# Altium PCB FMC-USB-PHY-BOARD_r0.2.PcbDoc (part 2 of 2)
Units mm, origin at the board's own origin, x right, y up, seen from the top; angles counter-clockwise.
Board outline 81.5 x 49.6 mm, 4 copper layers (Top Layer, L2 GND, L3 PWR, Bottom Layer), stack 1.605 mm thick; 77 components, 54 nets, 356 pads, 430 vias.
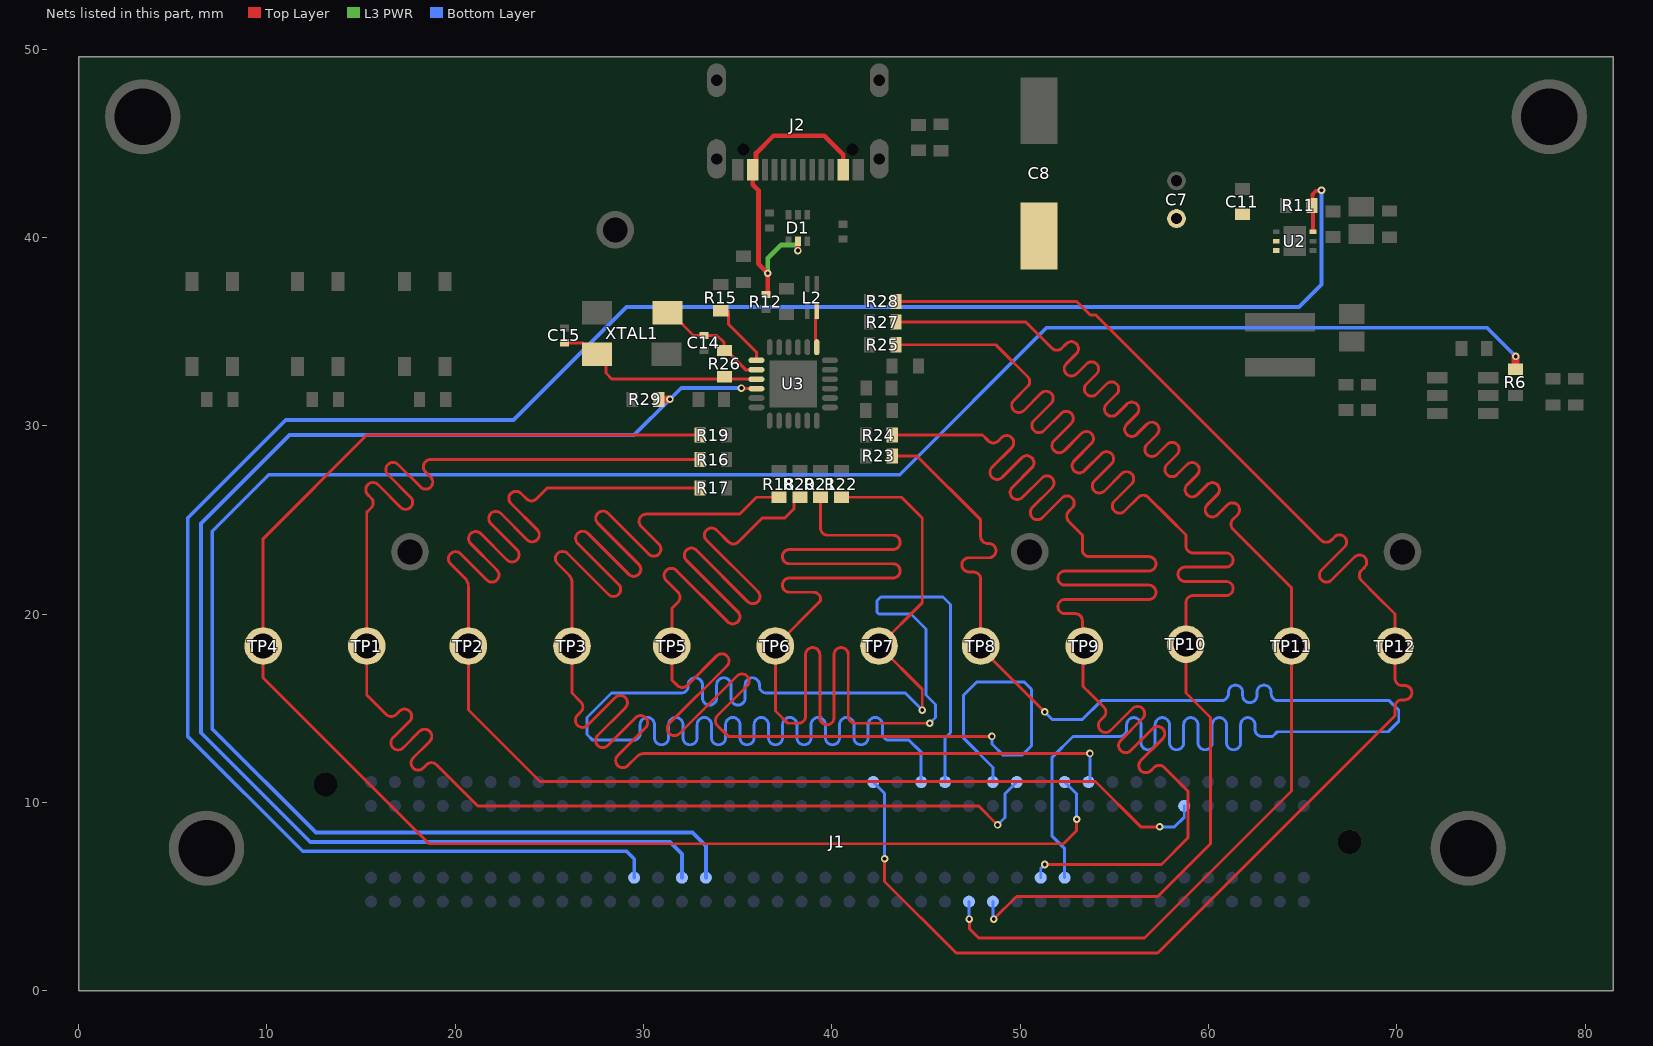
[diagram p4: the nets of this part, all layers, seen from the top]

## Via types
v1: diameter 0.4, hole 0.2, Top Layer to Bottom Layer, tented both sides, 219 vias
v2: diameter 0.4/0.4/0.4/0.4 (per signal layer), hole 0.2, Top Layer to Bottom Layer, tented both sides, 211 vias

## Nets (pads, with @x,y where several pads share a name; then routed paths per layer and width w, separated by ;. In a path a pad name is that pad's centre, name@x,y a point inside that pad or via, vN(x,y) a via of type N, cw(c..) or ccw(c..) an arc to the next point about the centre after c; other vN are vias at no path point) (continued)
USB_P: L2.4 U3.13 | length 2
  Top Layer w0.158: U3.13@39.197,34.17 39.197,34.483 39.126,34.554 39.126,35.094 39.125,35.641 39.15,35.666 39.15,36.033 L2.4@39.197,36.079
USB_PHY_RST: J1.D27 R29.1 U3.22 | length 73.7
  Top Layer w0.159: v1(35.2,32) 35.23,31.97 U3.22@35.997,31.97
  Top Layer w0.4: R29.1@30.8,31.4 v1(31.4,31.4)
  Bottom Layer w0.2: J1.D27@32.04,6 32.04,7.26 31.4,7.9 12.3,7.9 6.5,13.7 6.5,24.8 11.2,29.5 29.5,29.5 v1(31.4,31.4) 32,32 v1(35.2,32)
USB_RBIAS: R15.1 U3.19 | length 3.3
  Top Layer w0.159: 34.5,36.1 34.5,35.4 35.997,33.903 U3.19@35.997,33.47
USB_ULPI_CLK: J1.G6 R17.1 TP2.TP | length 79.6
  Top Layer w0.156: R17.1@33,26.7 24.9,26.7 24.701,26.501 24.317,26.117 cw(c24.05,26.384) 23.782,26.117 23.492,26.407 ccw(c23.225,26.14) 22.958,26.407 ccw(c23.225,26.14) 22.958,25.872 24.351,24.479 cw(c24.084,24.211) 24.351,23.944 cw(c24.084,24.211) 23.817,23.944 22.423,25.338 ccw(c22.156,25.07) 21.888,25.338 ccw(c22.156,25.07) 21.888,24.803 23.282,23.409 cw(c23.015,23.142) 23.282,22.875 cw(c23.015,23.142) 22.748,22.875 21.354,24.269 ccw(c21.087,24.001) 20.819,24.269 ccw(c21.087,24.001) 20.819,23.734 22.213,22.34 cw(c21.946,22.073) 22.213,21.806 cw(c21.946,22.073) 21.679,21.806 20.285,23.199 ccw(c20.017,22.932) 19.75,23.199 ccw(c20.017,22.932) 19.75,22.665 20.511,21.904 cw(c20.055,21.448) 20.7,21.448 20.7,21.337 TP2.TP@20.7,18.3 20.7,14.9 24.5,11.1 54,11.1 56.4,8.7 v1(57.4,8.7)
  Bottom Layer w0.156: v1(57.4,8.7) 58.2,8.7 58.71,9.21 J1.G6@58.71,9.81
USB_ULPI_D0: J1.H14 R20.1 TP5.TP | length 81.4
  Top Layer w0.156: R20.1@38.3,26.2 38.2,26.2 37.978,25.978 37.978,25.578 37.5,25.1 36.3,25.1 35.508,24.308 35.035,23.835 cw(c34.768,24.103) 34.5,23.835 33.878,24.458 ccw(c33.61,24.19) 33.343,24.458 ccw(c33.61,24.19) 33.343,23.923 36.073,21.192 cw(c35.806,20.925) 36.073,20.657 cw(c35.806,20.925) 35.538,20.657 32.808,23.388 ccw(c32.54,23.12) 32.273,23.388 ccw(c32.54,23.12) 32.273,22.853 35.003,20.122 cw(c34.736,19.855) 35.003,19.587 cw(c34.736,19.855) 34.468,19.587 31.738,22.318 ccw(c31.47,22.05) 31.203,22.318 ccw(c31.47,22.05) 31.203,21.783 31.826,21.16 cw(c31.558,20.893) 31.826,20.626 31.77,20.57 31.5,20.3 TP5.TP@31.5,18.3 31.5,16.5 31.734,16.266 31.79,16.21 ccw(c32.057,16.478) 32.324,16.21 33.892,17.778 cw(c34.159,17.511) 34.426,17.778 cw(c34.159,17.511) 34.426,17.244 31.368,14.185 ccw(c31.635,13.918) 31.368,13.65 ccw(c31.635,13.918) 31.902,13.65 34.961,16.709 cw(c35.228,16.442) 35.496,16.709 cw(c35.228,16.442) 35.496,16.175 33.928,14.607 ccw(c34.195,14.339) 33.928,14.072 34.386,13.614 34.442,13.558 34.5,13.5 v1(48.5,13.5)
  Bottom Layer w0.156: v1(48.5,13.5) 48.5,13.1 49.1,12.5 50.1,12.5 50.6,13 50.6,16 50.2,16.4 47.7,16.4 47,15.7 47,13.4 48.55,11.85 J1.H14@48.55,11.08
USB_ULPI_D1: J1.H16 R21.1 TP6.TP | length 81.8
  Top Layer w0.156: R21.1@39.4,26.2 39.4,25.135 39.4,24.561 ccw(c39.778,24.561) 39.778,24.183 43.249,24.183 cw(c43.249,23.804) 43.249,23.426 37.747,23.426 ccw(c37.747,23.048) 37.747,22.67 43.249,22.67 cw(c43.249,22.291) 43.249,21.913 37.747,21.913 ccw(c37.747,21.535) 37.747,21.157 39.022,21.157 cw(c39.022,20.778) 39.4,20.778 39.4,20.7 TP6.TP@37,18.3 37,14.856 37.091,14.764 37.111,14.745 37.656,14.2 38.225,14.2 ccw(c38.225,14.578) 38.603,14.578 38.603,17.841 cw(c38.981,17.841) 38.981,18.219 cw(c38.981,17.841) 39.359,17.841 39.359,14.498 ccw(c39.737,14.498) 39.737,14.12 ccw(c39.737,14.498) 40.115,14.498 40.115,17.841 cw(c40.493,17.841) 40.493,18.219 cw(c40.493,17.841) 40.871,17.841 40.871,14.578 ccw(c41.249,14.578) 41.249,14.2 42.083,14.2 v1(45.2,14.2)
  Bottom Layer w0.156: v1(45.2,14.2) 45.5,14.5 45.5,15.2 45,15.7 45,19.2 44.2,20 42.491,20 42.4,20.091 42.4,20.7 42.6,20.9 45.9,20.9 46.3,20.5 46.3,13.7 46,13.4 46,11.09 J1.H16@46.01,11.08
USB_ULPI_D2: J1.H17 R22.1 TP7.TP | length 81.4
  Top Layer w0.156: R22.1@40.5,26.2 43.7,26.2 44.8,25.1 44.8,20.6 TP7.TP@42.5,18.3 44.8,16 v1(44.8,14.9)
  Bottom Layer w0.156: J1.H17@44.74,11.08 44.74,12.66 44.1,13.3 43.894,13.3 43.059,13.3 cw(c43.059,13.678) 42.681,13.678 42.681,14.127 ccw(c42.302,14.127) 41.924,14.127 41.924,13.434 cw(c41.546,13.434) 41.168,13.434 41.168,14.127 ccw(c40.789,14.127) 40.411,14.127 40.411,13.434 cw(c40.033,13.434) 39.655,13.434 39.655,14.127 ccw(c39.276,14.127) 38.898,14.127 38.898,13.434 cw(c38.52,13.434) 38.142,13.434 38.142,14.127 ccw(c37.763,14.127) 37.385,14.127 37.385,13.434 cw(c37.007,13.434) 36.629,13.434 36.629,14.127 ccw(c36.25,14.127) 35.872,14.127 35.872,13.434 cw(c35.494,13.434) 35.116,13.434 35.116,14.127 ccw(c34.737,14.127) 34.359,14.127 34.359,13.434 cw(c33.981,13.434) 33.603,13.434 33.603,14.127 ccw(c33.224,14.127) 32.846,14.127 32.846,13.434 cw(c32.468,13.434) 32.09,13.434 32.09,14.127 ccw(c31.711,14.127) 31.333,14.127 31.333,13.434 cw(c30.955,13.434) 30.577,13.434 30.577,14.127 ccw(c30.198,14.127) 29.82,14.127 29.82,13.678 cw(c29.442,13.678) 29.442,13.3 27.983,13.3 27.3,13.3 27,13.6 27,14.5 28.3,15.8 31.912,15.8 31.99,15.8 ccw(c31.99,16.178) 32.369,16.178 32.369,16.239 cw(c32.747,16.239) 33.125,16.239 33.125,15.544 ccw(c33.503,15.544) 33.882,15.544 33.882,16.239 cw(c34.26,16.239) 34.638,16.239 34.638,15.544 ccw(c35.016,15.544) 35.395,15.544 35.395,16.239 cw(c35.773,16.239) 36.151,16.239 36.151,16.178 ccw(c36.529,16.178) 36.529,15.8 37.291,15.8 43.9,15.8 v1(44.8,14.9)
USB_ULPI_D3: J1.D11 R23.1 TP8.TP | length 81.1
  Top Layer w0.156: R23.1@43.16,28.4 44.5,28.4 47.9,25 47.9,24.2 47.9,24.122 ccw(c48.278,24.122) 48.278,23.744 48.336,23.744 cw(c48.336,23.366) 48.714,23.366 cw(c48.336,23.366) 48.336,22.988 47.28,22.988 ccw(c47.28,22.61) 46.902,22.61 ccw(c47.28,22.61) 47.28,22.232 47.522,22.232 cw(c47.522,21.854) 47.9,21.854 47.9,21.166 47.9,18.2 v1(51.3,14.8)
  Bottom Layer w0.156: v1(51.3,14.8) 51.7,14.4 53.3,14.4 54.3,15.4 60.6,15.4 60.678,15.4 ccw(c60.678,15.778) 61.057,15.778 61.057,15.844 cw(c61.435,15.844) 61.813,15.844 61.813,15.673 ccw(c62.191,15.673) 62.57,15.673 62.57,15.844 cw(c62.948,15.844) 63.326,15.844 63.326,15.778 ccw(c63.704,15.778) 63.704,15.4 64.3,15.4 69.6,15.4 70.1,14.9 70.1,14.3 69.549,13.749 63.649,13.749 63.4,13.5 62.843,13.5 cw(c62.843,13.878) 62.465,13.878 62.465,14.122 ccw(c62.087,14.122) 61.708,14.122 61.708,13.169 cw(c61.33,13.169) 60.952,13.169 60.952,14.122 ccw(c60.574,14.122) 60.196,14.122 60.196,13.169 cw(c59.817,13.169) 59.439,13.169 59.439,14.122 ccw(c59.061,14.122) 58.683,14.122 58.683,13.169 cw(c58.304,13.169) 57.926,13.169 57.926,14.122 ccw(c57.548,14.122) 57.17,14.122 57.17,13.169 cw(c56.791,13.169) 56.413,13.169 56.413,14.122 ccw(c56.035,14.122) 55.657,14.122 55.657,13.878 cw(c55.278,13.878) 55.278,13.5 55.2,13.5 52.8,13.5 51.7,12.4 51.7,8.2 52.36,7.54 J1.D11@52.36,6
USB_ULPI_D4: J1.D12 R24.1 TP9.TP | length 81.3
  Top Layer w0.156: R24.1@43.2,29.5 48,29.5 48.25,29.25 48.305,29.195 ccw(c48.572,29.462) 48.84,29.195 49.012,29.367 cw(c49.28,29.1) 49.547,29.367 cw(c49.28,29.1) 49.547,28.833 48.507,27.793 ccw(c48.774,27.526) 48.507,27.259 ccw(c48.774,27.526) 49.042,27.259 50.081,28.298 cw(c50.349,28.031) 50.616,28.298 cw(c50.349,28.031) 50.616,27.764 49.576,26.724 ccw(c49.844,26.457) 49.576,26.189 ccw(c49.844,26.457) 50.111,26.189 51.151,27.229 cw(c51.418,26.962) 51.685,27.229 cw(c51.418,26.962) 51.685,26.695 50.645,25.655 ccw(c50.913,25.388) 50.645,25.12 ccw(c50.913,25.388) 51.18,25.12 52.22,26.16 cw(c52.487,25.893) 52.754,26.16 cw(c52.487,25.893) 52.754,25.625 52.582,25.453 ccw(c52.849,25.186) 52.582,24.918 53.3,24.2 53.3,23.952 53.3,23.5 53.3,23.422 ccw(c53.678,23.422) 53.678,23.044 56.833,23.044 cw(c56.833,22.666) 57.211,22.666 cw(c56.833,22.666) 56.833,22.288 52.381,22.288 ccw(c52.381,21.91) 52.003,21.91 ccw(c52.381,21.91) 52.381,21.532 56.833,21.532 cw(c56.833,21.154) 57.211,21.154 cw(c56.833,21.154) 56.833,20.776 52.381,20.776 ccw(c52.381,20.398) 52.003,20.398 ccw(c52.381,20.398) 52.381,20.02 52.922,20.02 cw(c52.922,19.642) 53.3,19.642 53.3,18.532 53.3,18.3 53.345,18.255 53.345,16.155 53.501,15.999 53.556,15.944 54.437,15.063 cw(c54.17,14.795) 54.437,14.528 54.265,14.355 ccw(c54.532,14.088) 54.265,13.821 ccw(c54.532,14.088) 54.799,13.821 55.964,14.985 cw(c56.231,14.718) 56.498,14.985 cw(c56.231,14.718) 56.498,14.451 55.334,13.286 ccw(c55.601,13.019) 55.334,12.752 ccw(c55.601,13.019) 55.869,12.752 57.033,13.916 cw(c57.3,13.649) 57.568,13.916 cw(c57.3,13.649) 57.568,13.382 56.403,12.217 ccw(c56.67,11.95) 56.403,11.683 ccw(c56.67,11.95) 56.938,11.683 57.11,11.855 cw(c57.378,11.588) 57.645,11.855 57.7,11.8 58.9,10.6 58.9,8.1 57.5,6.7 v1(51.3,6.7)
  Bottom Layer w0.156: J1.D12@51.09,6 51.09,6.486 51.3,6.696 v1(51.3,6.7)
USB_ULPI_D5: J1.C14 R25.1 TP10.TP | length 80.3
  Top Layer w0.156: R25.1@43.4,34.3 48.7,34.3 48.732,34.268 48.787,34.213 50.391,32.609 cw(c50.123,32.342) 50.391,32.075 49.661,31.345 ccw(c49.928,31.078) 49.661,30.81 ccw(c49.928,31.078) 50.195,30.81 51.106,31.721 cw(c51.373,31.453) 51.64,31.721 cw(c51.373,31.453) 51.64,31.186 50.73,30.276 ccw(c50.997,30.009) 50.73,29.741 ccw(c50.997,30.009) 51.265,29.741 52.175,30.651 cw(c52.442,30.384) 52.709,30.651 cw(c52.442,30.384) 52.709,30.117 51.799,29.207 ccw(c52.066,28.939) 51.799,28.672 ccw(c52.066,28.939) 52.334,28.672 53.244,29.582 cw(c53.511,29.315) 53.778,29.582 cw(c53.511,29.315) 53.778,29.048 52.868,28.138 ccw(c53.136,27.87) 52.868,27.603 ccw(c53.136,27.87) 53.403,27.603 54.313,28.513 cw(c54.58,28.246) 54.848,28.513 cw(c54.58,28.246) 54.848,27.979 53.937,27.068 ccw(c54.205,26.801) 53.937,26.534 ccw(c54.205,26.801) 54.472,26.534 55.382,27.444 cw(c55.649,27.177) 55.917,27.444 cw(c55.649,27.177) 55.917,26.909 55.007,25.999 ccw(c55.274,25.732) 55.007,25.465 ccw(c55.274,25.732) 55.541,25.465 56.271,26.194 cw(c56.538,25.927) 56.806,26.194 57.864,25.136 57.919,25.081 58.8,24.2 58.8,23.701 58.8,23.623 ccw(c59.178,23.623) 59.178,23.245 60.928,23.245 cw(c60.928,22.867) 61.306,22.867 cw(c60.928,22.867) 60.928,22.489 58.754,22.489 ccw(c58.754,22.111) 58.376,22.111 ccw(c58.754,22.111) 58.754,21.733 60.928,21.733 cw(c60.928,21.355) 61.306,21.355 cw(c60.928,21.355) 60.928,20.977 59.178,20.977 ccw(c59.178,20.599) 58.8,20.599 58.8,18.866 TP10.TP@58.8,18.4 58.8,15.8 60.1,14.5 60.1,7.8 57.3,5 49.8,5 v1(48.6,3.8)
  Bottom Layer w0.156: J1.C14@48.55,4.73 48.55,3.915 48.6,3.865 v1(48.6,3.8)
USB_ULPI_D6: J1.C15 R27.1 TP11.TP | length 80.1
  Top Layer w0.156: R27.1@43.4,35.5 50.3,35.5 50.7,35.1 51.626,34.174 51.681,34.119 ccw(c51.949,34.386) 52.216,34.119 52.448,34.351 cw(c52.715,34.083) 52.982,34.351 cw(c52.715,34.083) 52.982,33.816 52.45,33.284 ccw(c52.717,33.017) 52.45,32.749 ccw(c52.717,33.017) 52.985,32.749 53.517,33.282 cw(c53.784,33.014) 54.051,33.282 cw(c53.784,33.014) 54.051,32.747 53.519,32.215 ccw(c53.786,31.947) 53.519,31.68 ccw(c53.786,31.947) 54.054,31.68 54.586,32.212 cw(c54.853,31.945) 55.121,32.212 cw(c54.853,31.945) 55.121,31.678 54.588,31.146 ccw(c54.856,30.878) 54.588,30.611 ccw(c54.856,30.878) 55.123,30.611 55.655,31.143 cw(c55.922,30.876) 56.19,31.143 cw(c55.922,30.876) 56.19,30.609 55.657,30.076 ccw(c55.925,29.809) 55.657,29.542 ccw(c55.925,29.809) 56.192,29.542 56.724,30.074 cw(c56.992,29.807) 57.259,30.074 cw(c56.992,29.807) 57.259,29.54 56.727,29.007 ccw(c56.994,28.74) 56.727,28.473 ccw(c56.994,28.74) 57.261,28.473 57.793,29.005 cw(c58.061,28.738) 58.328,29.005 cw(c58.061,28.738) 58.328,28.47 57.796,27.938 ccw(c58.063,27.671) 57.796,27.404 ccw(c58.063,27.671) 58.33,27.404 58.863,27.936 cw(c59.13,27.669) 59.397,27.936 cw(c59.13,27.669) 59.397,27.401 58.865,26.869 ccw(c59.132,26.602) 58.865,26.334 ccw(c59.132,26.602) 59.399,26.334 59.932,26.867 cw(c60.199,26.599) 60.466,26.867 cw(c60.199,26.599) 60.466,26.332 59.934,25.8 ccw(c60.201,25.533) 59.934,25.265 ccw(c60.201,25.533) 60.469,25.265 61.001,25.798 cw(c61.268,25.53) 61.535,25.798 cw(c61.268,25.53) 61.535,25.263 61.304,25.031 ccw(c61.571,24.764) 61.304,24.496 61.976,23.824 62.031,23.769 64.4,21.4 TP11.TP@64.4,18.3 64.4,10.6 56.6,2.8 47.8,2.8 47.318,3.282 47.318,3.782 v1(47.3,3.8)
  Bottom Layer w0.156: J1.C15@47.28,4.73 47.28,3.82 v1(47.3,3.8)
USB_ULPI_D7: J1.H19 R28.1 TP12.TP | length 85
  Top Layer w0.156: v1(42.8,7) 42.8,5.8 46.6,2 57.3,2 69.182,13.882 69.9,14.6 69.9,15.067 cw(c70.278,15.067) 70.278,15.445 70.42,15.445 ccw(c70.42,15.823) 70.798,15.823 ccw(c70.42,15.823) 70.42,16.201 70.278,16.201 cw(c70.278,16.579) 69.9,16.579 69.9,16.657 TP12.TP@69.9,18.3 69.9,20 68.91,20.99 68.118,21.782 cw(c68.385,22.05) 68.118,22.317 68.29,22.49 ccw(c68.023,22.757) 68.29,23.024 ccw(c68.023,22.757) 67.756,23.024 66.535,21.803 cw(c66.267,22.07) 66,21.803 cw(c66.267,22.07) 66,22.338 67.221,23.559 ccw(c66.954,23.826) 67.221,24.093 ccw(c66.954,23.826) 66.686,24.093 66.514,23.921 cw(c66.247,24.188) 65.979,23.921 65.924,23.976 54.03,35.87 53.73,35.87 53,36.6 R28.1@43.4,36.6
  Bottom Layer w0.156: J1.H19@42.2,11.08 42.8,10.48 v1(42.8,7)
USB_ULPI_DIR: J1.H13 R16.1 TP1.TP | length 81.8
  Top Layer w0.156: R16.1@33,28.2 19.652,28.2 18.684,28.2 ccw(c18.684,27.822) 18.417,27.555 18.698,27.274 cw(c18.43,27.007) 18.698,26.739 cw(c18.43,27.007) 18.163,26.739 16.961,27.941 ccw(c16.694,27.674) 16.427,27.941 ccw(c16.694,27.674) 16.427,27.406 17.629,26.205 cw(c17.361,25.937) 17.629,25.67 cw(c17.361,25.937) 17.094,25.67 15.892,26.872 ccw(c15.625,26.605) 15.358,26.872 ccw(c15.625,26.605) 15.358,26.337 15.53,26.165 cw(c15.263,25.897) 15.53,25.63 15.475,25.575 15.3,25.4 TP1.TP@15.3,18.3 15.3,15.7 15.55,15.45 15.605,15.395 16.332,14.668 ccw(c16.599,14.935) 16.867,14.668 17.039,14.84 cw(c17.307,14.573) 17.574,14.84 cw(c17.307,14.573) 17.574,14.306 16.694,13.426 ccw(c16.961,13.159) 16.694,12.892 ccw(c16.961,13.159) 17.229,12.892 18.108,13.771 cw(c18.376,13.504) 18.643,13.771 cw(c18.376,13.504) 18.643,13.237 17.763,12.357 ccw(c18.031,12.09) 17.763,11.822 ccw(c18.031,12.09) 18.298,11.822 18.47,11.995 cw(c18.738,11.728) 19.005,11.995 19.06,11.94 21.2,9.8 47.8,9.8 v1(48.8,8.8)
  Bottom Layer w0.156: v1(48.8,8.8) 49.2,9.2 49.2,10.46 J1.H13@49.82,11.08
USB_ULPI_NXT: J1.H10 R18.1 TP3.TP | length 81.4
  Top Layer w0.156: R18.1@37.2,26.2 36,26.2 35.1,25.3 31.338,25.3 30.14,25.3 ccw(c30.14,24.922) 29.873,24.655 30.812,23.715 cw(c30.545,23.448) 30.812,23.181 cw(c30.545,23.448) 30.278,23.181 28.106,25.353 ccw(c27.839,25.085) 27.571,25.353 ccw(c27.839,25.085) 27.571,24.818 29.743,22.646 cw(c29.476,22.379) 29.743,22.112 cw(c29.476,22.379) 29.209,22.112 27.037,24.284 ccw(c26.769,24.016) 26.502,24.284 ccw(c26.769,24.016) 26.502,23.749 28.674,21.577 cw(c28.407,21.31) 28.674,21.043 cw(c28.407,21.31) 28.14,21.043 25.968,23.214 ccw(c25.7,22.947) 25.433,23.214 ccw(c25.7,22.947) 25.433,22.68 26.011,22.102 cw(c25.555,21.646) 26.2,21.646 26.2,21.535 TP3.TP@26.2,18.3 26.2,16.537 26.2,15.8 26.666,15.334 cw(c26.399,15.066) 26.666,14.799 26.492,14.625 ccw(c26.759,14.357) 26.492,14.09 ccw(c26.759,14.357) 27.026,14.09 28.5,15.563 cw(c28.767,15.296) 29.034,15.563 cw(c28.767,15.296) 29.034,15.029 27.561,13.555 ccw(c27.828,13.288) 27.561,13.021 ccw(c27.828,13.288) 28.095,13.021 29.569,14.494 cw(c29.836,14.227) 30.103,14.494 cw(c29.836,14.227) 30.103,13.96 28.63,12.486 ccw(c28.897,12.219) 28.63,11.952 ccw(c28.897,12.219) 29.165,11.952 29.624,12.411 cw(c30.08,11.955) 30.08,12.6 30.19,12.6 v1@53.687,12.6
  Bottom Layer w0.156: J1.H10@53.63,11.08 53.7,11.15 v1(53.7,12.6)
USB_ULPI_STP: J1.H11 R19.1 TP4.TP | length 82.9
  Top Layer w0.156: R19.1@33,29.5 15.3,29.5 9.8,24 9.8,16.6 18.6,7.8 52.3,7.8 53,8.5 v1(53,9.1)
  Bottom Layer w0.156: J1.H11@52.36,11.08 53,10.44 v1(53,9.1)
USB_VBUS_DISABLE: J1.D26 R6.1 | length 116
  Top Layer w0.4: R6.1@76.3,33 v1@76.3,33.7
  Bottom Layer w0.2: J1.D26@33.31,6 33.31,7.69 32.6,8.4 12.6,8.4 7.1,13.9 7.1,24.4 10.1,27.4 43.6,27.4 51.4,35.2 74.793,35.2 v1(76.318,33.676)
USB_XTAL_IN: C15.1 R26.2 U3.21 XTAL1.3 | length 11.2
  Top Layer w0.159: C15.1@25.8,34.4 26.75,34.4 27.35,33.8 XTAL1.3@27.525,33.8 ; XTAL1.3@28,33.8 28,32.8 28.33,32.47 R26.2@34.305,32.47 ; R26.2@34.305,32.595 34.43,32.47 U3.21@35.997,32.47
USB_XTAL_OUT: C14.1 R26.1 U3.20 XTAL1.1 | length 5.9
  Top Layer w0.159: XTAL1.1@31.575,35.875 32.655,34.795 C14.1@33.2,34.795 33.905,34.795 34.26,34.44 34.26,34.04 R26.1@34.305,33.995 ; R26.1@34.305,33.998 34.403,33.998 34.625,33.775 34.625,33.766 35.422,32.97 U3.20@35.997,32.97
VBUS: C7.1 C8.1 C11.1 D1.5 J2.A4/B9 J2.A9/B4 R12.2 U2.5 U2.6 | length 17.4
  Top Layer w0.25: R12.2@36.5,36.965 36.535,36.965 36.6,37.03 v1(36.6,38.1) 36.1,38.6 36.1,42.5 35.804,42.796 35.804,43.591 J2.A9/B4@35.8,43.595 35.975,43.77 35.975,44.475 36.9,45.4 39.6,45.4 40.6,44.4 J2.A4/B9@40.6,43.595 ; v1(38.2,39.3) D1.5@38.2,39.8
  L3 PWR w0.25: v1(36.6,38.1) 36.6,38.9 37.3,39.6 38.2,39.6
VBUS_EN: J1.D29 R11.2 U2.3 | length 111.9
  Top Layer w0.2: U2.3@65.55,40.3 65.55,41.65 R11.2@65.5,41.7 65.516,41.716 65.516,42.283 65.713,42.48 65.98,42.48 v1(66,42.5)
  Bottom Layer w0.2: J1.D29@29.5,6 29.5,7 29.1,7.4 11.9,7.4 5.8,13.5 5.8,25.095 11.005,30.3 23.1,30.3 29.1,36.3 64.8,36.3 66,37.5 v1(66,42.5)
pads on no net: J1. J1.C2 J1.C3 J1.C6 J1.C7 J1.C10 J1.C11 J1.C18 J1.C19 J1.C22 J1.C23 J1.C26 J1.C27 J1.C30 J1.C31 J1.C34 J1.D1 J1.D4 J1.D5 J1.D8 J1.D9 J1.D14 J1.D15 J1.D17 J1.D18 J1.D20 J1.D21 J1.D23 J1.D24 J1.D30 J1.D31 J1.D33 J1.D34 J1.D35 J1.G2 J1.G3 J1.G7 J1.G13 J1.G15 J1.G16 J1.G18 J1.G19 J1.G21 J1.G22 J1.G24 J1.G25 J1.G27 J1.G28 J1.G30 J1.G31 J1.G33 J1.G34 J1.G36 J1.G37 J1.H1 J1.H2 J1.H4 J1.H5 J1.H7 J1.H8 J1.H20 J1.H22 J1.H23 J1.H25 J1.H26 J1.H28 J1.H29 J1.H31 J1.H32 J1.H34 J1.H35 J1.H37 J1.H38 J2.A8 J2.B8 J2.MH1 J2.MH2 U2.4

## Polygon pours and split planes (outlines as drawn)
GND on Top Layer "NONET_L04_P-001" (solid, pour order 30): 34.737,44.237 34.6,44.1 34.6,42.8 34.1,42.3 34.1,41.6 34.3,41.4 35.6,41.4 35.8,41.6 35.8,42.3 35.3,42.8 35.3,44.171 35.235,44.237
GND on Top Layer "NONET_L04_P-001" (solid, pour order 29): 41.124,44.2 41.093,44.169 41.093,42.438 41.3,42.232 42.298,42.232 42.496,42.43 42.496,42.784 42.344,42.937 41.925,42.937 41.7,43.162 41.7,44.2
VBUS on Top Layer "NONET_L04_P-001" (solid, pour order 4): 43.8,43.5 42.6,42.8 42.6,42.1 41.151,42.1 40.9,42.599 40.9,44.156 40.85,44.228 40.348,44.228 40.296,44.156 40.296,41.904 44.1,38.1 62.8,38.1 63.8,39.1 63.8,40 63.3,40 63.3,40.7 62.3,41.7 53,41.7 51.2,43.5
NetC1_2 on Top Layer "NONET_L04_P-001" (solid, pour order 11): 61.6,33.9 61.7,34 65.9,34 66,33.9 66,31.3 65.9,31.2 61.7,31.2 61.6,31.3
NetC5_1 on Top Layer "NONET_L04_P-001" (solid, pour order 15): 39.6,32.114 39.6,31.819 41.081,31.819 41.4,31.5 41.4,30.3 42.1,30.3 42.3,30.5 42.3,32.2 42.8,32.7 43.6,32.7 43.6,33.6 43.5,33.7 42.7,33.7 42.3,33.3 41.114,32.114
GND on Top Layer "NONET_L04_P-001" (solid, pour order 26): 81.5,30.2 77.9,30.2 75.4,27.7 67.1,27.7 67.1,24.6 72.2,24.6 73.9,22.9 73.9,12.4 61.8,0.3 81.5,0.3
GND on Top Layer "NONET_L04_P-001" (solid, pour order 25): 61,49.6 61,44.3 69.5,44.3 71.3,42.5 71.3,36.7 79.3,36.7 81.5,34.5 81.5,49.6
GND on Top Layer "NONET_L04_P-001" (solid, pour order 24): 0,49.6 0,0 46.5,0 40.2,6.3 13.1,6.3 6.1,13.3 6.1,26 8.9,26 11.1,28.2 9.8,29.5 3.6,29.5 3.6,38.4 4.6,39.4 21.733,39.4 23.133,38.2 30.4,38.2 32.5,40.3 32.5,49.6
GND on Top Layer "NONET_L04_P-001" (solid, pour order 8): 66.4,31.7 69.7,31.7 69.7,32.2 72.7,32.2 72.7,33.5 70.9,35.3 66.4,35.3 66.4,35.2
3V3 on Top Layer "NONET_L04_P-001" (solid, pour order 23): 37.3,36.2 37.3,35.2 37.6,34.9 37.6,33.8 38.3,33.8 38.3,35.5 38.1,35.7 38.1,36.2
3V3 on Top Layer "NONET_L04_P-001" (solid, pour order 17): 44.297,33.57 44.297,32.77 44.897,32.77 44.997,32.67 46.197,32.67 46.397,32.87 46.397,33.47 46.197,33.67 44.997,33.67 44.897,33.57
1V8_ADJ on Top Layer "NONET_L04_P-001" (solid, pour order 16): 42.9,31.2 42.9,30.4 43.5,30.4 43.6,30.3 44.8,30.3 45,30.5 45,31.1 44.8,31.3 43.6,31.3 43.5,31.2
NetC1_2 on Top Layer "NONET_L04_P-001" (solid, pour order 6): 69.9,32.2 69.9,31.1 71.4,31.1 71.6,31.3 72.7,31.3 72.7,31.9 71.6,31.9 71.3,32.2
12V0 on Top Layer "NONET_L04_P-001" (solid, pour order 7): 72.7,31 72.7,29.7 72.1,29.1 66.8,29.1 66.3,29.6 66.3,30.9 66.6,31.2 69.1,31.2 69.5,30.8 71.4,30.8 71.6,31
5V0 on Top Layer "NONET_L04_P-001" (solid, pour order 13): 65.9,39.6 65.3,39.6 65.3,40 65.7,40 65.9,40 65.9,40.2 66.1,40.4 67.133,40.395 67.328,40.7 68.9,40.7 68.9,40.5 70.1,40.5 70.1,39.6 69.7,39.2 69.7,35.4 66.055,35.4 65.65,34.995 61.805,34.995 61.5,35.3 61.5,37 62.2,37.7 65.3,37.7 65.9,38.3
GND on Top Layer "NONET_L04_P-001" (solid, pour order 5): 48.5,48.8 48.5,48.6 48.5,45.1 49.3,44.3 54.3,44.3 56.4,42.2 60.1,42.2 60.5,42.6 60.5,48.1 54.6,48.1 53.8,48.8 53.7,48.8 49,48.8
GND on Bottom Layer "NONET_L04_P-001" (solid, pour order 27): 0,49.7 0,0 7.1,0 7.1,0.9 2.4,5.6 2.4,32.6 4.7,34.9 19.4,34.9 20.6,33.7 25,33.7 25,37.1 26.3,38.4 58.8,38.4 65.2,44.8 68.4,44.8 78.7,34.5 81.5,34.5 81.5,49.6
GND on Bottom Layer "NONET_L04_P-001" (solid, pour order 28): 11.7,26.6 10.9,26.6 8.7,24.4 8.7,21.6 72.5,21.6 73.4,20.7 73.4,6.3 68.7,1.6 68.6,1.6 68.6,0.3 81.5,0.3 81.5,29.2 80.2,27.9 62.7,27.9 60.8,29.8 60.8,34.2 52.7,34.2 45.1,26.6
NetC1_2 on Bottom Layer "NONET_L04_P-001" (solid, pour order 12): 61.6,32.2 61.6,31 71.2,31 71.4,31.2 71.4,32 71.2,32.2
GND on L3 PWR "NONET_L04_P-001" (solid, pour order 22): 0,49.6 0,0 81.5,0 81.5,49.6
1V8_ADJ on L3 PWR "NONET_L04_P-001" (solid, pour order 21): 15.2,12.7 14.7,12.2 14.7,9 15.1,8.6 17.1,8.6 17.5,9 17.5,12.3 17.1,12.7
1V8_ADJ on L3 PWR "NONET_L04_P-001" (solid, pour order 20): 45.6,31.4 45.6,28.5 44.9,27.8 33.8,27.8 33.7,27.7 33.3,28.1 33.3,31.3 35.9,31.3 35.9,29.3 43.1,29.3 43.1,31.4
12V0 on L3 PWR "NONET_L04_P-001" (solid, pour order 19): 66.7,30.8 66.7,29.6 67.1,29.2 72.5,29.2 72.5,30.8 69.5,30.8
12V0 on L3 PWR "NONET_L04_P-001" (solid, pour order 18): 19.4,5.3 18.9,5.3 18.7,5.1 18.7,3.7 18.9,3.5 22.4,3.5 22.6,3.7 22.6,5.1 22.4,5.3
3V3 on L3 PWR "NONET_L04_P-001" (solid, pour order 14): 13.8,5.6 13.8,3.5 17.2,3.5 17.2,5.4 17.4,5.6 26,5.6 26,6.9 25.6,7.3 13.98,7.3 13.8,7.075
GND on L2 GND "NONET_L04_P-001" (solid, pour order 1): 0,49.6 0,0 81.5,0 81.5,49.6

## Other copper
Top Layer:
  text ".Layer_Name" at 7.628,-99.008 h2.5
L2 GND:
  text "'.Layer_Name'" at 11.169,-99.415 h2.5
L3 PWR:
  text ".Layer_Name" at 12.319,-99.45 h2.5
Bottom Layer:
  text "'.Layer_Name'" at 4.296,-99.008 h2.5

## Silkscreen, mask and mechanical layers (free items; w line width, h text height)
Top Overlay:
  lines w0.1: 32.701,3.492 33.084,3.109 48.784,3.109 49.051,3.377 49.051,9.362 48.754,9.659 32.984,9.659 32.701,9.377 32.701,3.492
  lines w0.2: 32.8,37.9 33.2,37.5 33.2,35.6 33.395,35.405 33.995,35.405 34.3,35.1 34.3,34.7
  text "GND" at 26.6,42.4 h1.4
  text "GND" at 19.6,23.6 h1.4
  text "GND" at 52.5,23.6 h1.4
  text "GND" at 72.3,23.5 h1.4
  text "STP" at 10.6,11.9 h1.4 r90
  text "DIR" at 16,11.9 h1.4 r90
  text "CLK" at 21.481,11.9 h1.4 r90
  text "NXT" at 26.781,11.9 h1.4 r90
  text "D0" at 32.132,11.9 h1.4 r90
  text "D1" at 37.426,11.9 h1.4 r90
  text "D2" at 43.026,11.9 h1.4 r90
  text "D3" at 48.893,11.9 h1.4 r90
  text "D4" at 54.043,11.9 h1.4 r90
  text "D5" at 59.4,11.9 h1.4 r90
  text "D6" at 65,11.9 h1.4 r90
  text "D7" at 70.5,11.9 h1.4 r90
  text "OV Tech GmbH" at 35.934,6.525 h1.4
  text "FMC-USB-PHY-BOARD-R02" at 34.584,5.37 h1
  text "'.Layer_Name'" at 5.129,-99.008 h2.5
Bottom Overlay:
  text "'.Layer_Name'" at 1.797,-99.008 h2.5
Top Paste:
  text "'.Layer_Name'" at 7.628,-99.008 h2.5
Bottom Paste:
  text "'.Layer_Name'" at 4.296,-99.425 h2.5
Top Solder:
  text "'.Layer_Name'" at 6.587,-99.008 h2.5
Bottom Solder:
  text "'.Layer_Name'" at 3.255,-99.425 h2.5
Drill Guide:
  text "'.Layer_Name'" at 5.754,-99.425 h2.5
Board Shape:
  the board outline again, w0.1
  text "'.Layer_Name'" at 5.571,-98.933 h2.5
Drill Drawing:
  circle w0.15: c-20.054,-13.497 r0.428
  circle w0.15: c-20.054,-17.347 r0.257
  circle w0.15: c-20.054,-17.347 r0.428
  lines w0.15: -20.482,-25.475 -20.054,-25.261 -19.626,-25.475 -19.84,-25.047 -19.626,-24.619 -20.054,-24.833 -20.482,-24.619 -20.268,-25.047 -20.482,-25.475 ; -20.482,-23.336 -20.268,-23.336 -20.268,-23.55 -19.84,-23.55 -19.84,-23.336 -19.626,-23.336 -19.626,-22.908 -19.84,-22.908 -19.84,-22.694 -20.268,-22.694 -20.268,-22.908 -20.482,-22.908 -20.482,-23.336 ; -20.482,-21.625 -20.482,-21.411 -20.268,-21.197 -20.482,-20.983 -20.482,-20.769 -20.268,-20.769 -20.054,-20.983 -19.84,-20.769 -19.626,-20.769 -19.626,-20.983 -19.84,-21.197 -19.626,-21.411 -19.626,-21.625 -19.84,-21.625 -20.054,-21.411 -20.268,-21.625 -20.482,-21.625 ; -20.482,-18.844 -19.626,-18.844 -20.054,-19.7 -20.482,-18.844 ; -20.482,-15.85 -19.626,-15.85 -19.626,-14.994 -20.482,-14.994 -20.482,-15.85 ; -20.482,-12 -19.626,-12 -19.626,-11.144 -20.482,-11.144 -20.482,-12 ; -20.31,-15.679 -19.797,-15.679 -19.797,-15.166 -20.31,-15.166 -20.31,-15.679
  lines w0.3: -21.256,-26.053 107.418,-26.053 ; -21.256,-10.653 107.418,-10.653 ; -14.117,-27.978 -14.117,-8.728 ; -6.375,-27.978 -6.375,-8.728 ; 8.037,-27.978 8.037,-8.728 ; 14.598,-27.978 14.598,-8.728 ; 24.085,-27.978 24.085,-8.728 ; 43.372,-27.978 43.372,-8.728 ; 51.012,-27.978 51.012,-8.728 ; 60.652,-27.978 60.652,-8.728 ; 75.321,-27.978 75.321,-8.728 ; 89.349,-27.978 89.349,-8.728 ; -21.256,-27.978 107.418,-27.978 107.418,-8.728 -21.256,-8.728 -21.256,-27.978
  text "Symbol" at -20.101,-10.075 h0.92
  text "Count" at -13.539,-10.075 h0.92
  text "Hole Size" at -5.798,-10.075 h0.92
  text "Plated" at 8.615,-10.075 h0.92
  text "Hole Type" at 15.176,-10.075 h0.92
  text "Drill Layer Pair" at 24.662,-10.075 h0.92
  text "Via/Pad" at 43.95,-10.075 h0.92
  text "Pad Shape" at 51.589,-10.075 h0.92
  text "Template" at 61.229,-10.075 h0.92
  text "Hole Length" at 75.899,-10.075 h0.92
  text "Routed Path Length" at 89.926,-10.075 h0.92
  text "2" at -13.539,-12 h0.77
  text "23.62mil (0.600mm)" at -5.798,-12 h0.77
  text "PTH" at 8.615,-12 h0.77
  text "Round" at 15.176,-12 h0.77
  text "Top Layer - Bottom Layer" at 24.662,-12 h0.77
  text "Pad" at 43.95,-12 h0.77
  text "Rounded" at 51.589,-12 h0.77
  text "c100h60" at 61.229,-12 h0.77
  text "-" at 75.899,-12 h0.77
  text "-" at 89.926,-12 h0.77
  text "2" at -13.539,-13.925 h0.77
  text "23.62mil (0.600mm)" at -5.798,-13.925 h0.77
  text "PTH" at 8.615,-13.925 h0.77
  text "Slot" at 15.176,-13.925 h0.77
  text "Top Layer - Bottom Layer" at 24.662,-13.925 h0.77
  text "Pad" at 43.95,-13.925 h0.77
  text "Rounded" at 51.589,-13.925 h0.77
  text "r180_100h60_140r50" at 61.229,-13.925 h0.77
  text "55.12mil (1.400mm)" at 75.899,-13.925 h0.77
  text "31.50mil (0.800mm)" at 89.926,-13.925 h0.77
  text "2" at -13.539,-15.85 h0.77
  text "23.62mil (0.600mm)" at -5.798,-15.85 h0.77
  text "PTH" at 8.615,-15.85 h0.77
  text "Slot" at 15.176,-15.85 h0.77
  text "Top Layer - Bottom Layer" at 24.662,-15.85 h0.77
  text "Pad" at 43.95,-15.85 h0.77
  text "Rounded" at 51.589,-15.85 h0.77
  text "r210_100h60_170r50" at 61.229,-15.85 h0.77
  text "66.93mil (1.700mm)" at 75.899,-15.85 h0.77
  text "43.31mil (1.100mm)" at 89.926,-15.85 h0.77
  text "2" at -13.539,-17.775 h0.77
  text "25.59mil (0.650mm)" at -5.798,-17.775 h0.77
  text "NPTH" at 8.615,-17.775 h0.77
  text "Round" at 15.176,-17.775 h0.77
  text "Top Layer - Bottom Layer" at 24.662,-17.775 h0.77
  text "Pad" at 43.95,-17.775 h0.77
  text "Rounded" at 51.589,-17.775 h0.77
  text "c40hn65" at 61.229,-17.775 h0.77
  text "-" at 75.899,-17.775 h0.77
  text "-" at 89.926,-17.775 h0.77
  text "2" at -13.539,-19.7 h0.77
  text "50.00mil (1.270mm)" at -5.798,-19.7 h0.77
  text "NPTH" at 8.615,-19.7 h0.77
  text "Round" at 15.176,-19.7 h0.77
  text "Top Layer - Bottom Layer" at 24.662,-19.7 h0.77
  text "Pad" at 43.95,-19.7 h0.77
  text "Rounded" at 51.589,-19.7 h0.77
  text "c127hn127" at 61.229,-19.7 h0.77
  text "-" at 75.899,-19.7 h0.77
  text "-" at 89.926,-19.7 h0.77
  text "4" at -13.539,-21.625 h0.77
  text "118.11mil (3.000mm)" at -5.798,-21.625 h0.77
  text "PTH" at 8.615,-21.625 h0.77
  text "Round" at 15.176,-21.625 h0.77
  text "Top Layer - Bottom Layer" at 24.662,-21.625 h0.77
  text "Pad" at 43.95,-21.625 h0.77
  text "Rounded" at 51.589,-21.625 h0.77
  text "c400h300" at 61.229,-21.625 h0.77
  text "-" at 75.899,-21.625 h0.77
  text "-" at 89.926,-21.625 h0.77
  text "16" at -13.539,-23.55 h0.77
  text "51.97mil (1.320mm)" at -5.798,-23.55 h0.77
  text "PTH" at 8.615,-23.55 h0.77
  text "Round" at 15.176,-23.55 h0.77
  text "Top Layer - Bottom Layer" at 24.662,-23.55 h0.77
  text "Pad" at 43.95,-23.55 h0.77
  text "Rounded" at 51.589,-23.55 h0.77
  text "c200h132" at 61.229,-23.55 h0.77
  text "-" at 75.899,-23.55 h0.77
  text "-" at 89.926,-23.55 h0.77
  text "430" at -13.539,-25.475 h0.77
  text "7.87mil (0.200mm)" at -5.798,-25.475 h0.77
  text "PTH" at 8.615,-25.475 h0.77
  text "Round" at 15.176,-25.475 h0.77
  text "Top Layer - Bottom Layer" at 24.662,-25.475 h0.77
  text "Via" at 43.95,-25.475 h0.77
  text "Rounded" at 51.589,-25.475 h0.77
  text "(Mixed)" at 61.229,-25.475 h0.77
  text "-" at 75.899,-25.475 h0.77
  text "-" at 89.926,-25.475 h0.77
  text "460 Total" at -13.539,-27.4 h0.77
  text "Slot definitions :" at -20.101,-29.304 h0.77
  text "Routed Path Length" at -6.787,-29.304 h0.77
  text "= Calculated from tool start centre position to tool end centre position." at 7.424,-29.304 h0.77
  text "Hole Length" at -6.787,-30.63 h0.77
  text "= Routed Path Length + Tool Size = Slot length as defined in the PCB layout" at 2.164,-30.63 h0.77
Top Assembly (Mech29):
  text "'.Layer_Name'" at 4.016,-99.042 h2.5
Bottom Assembly:
  text "'.Layer_Name'" at 0.683,-99.042 h2.5
Fab Notes (Mech31):
  drawing of 110 lines, arcs and shapes, not listed
  text "1" at -28.667,159.06 h2.5
  text "2" at 18.417,159.06 h2.5
  text "3" at 65.917,159.06 h2.5
  text "4" at 113.417,159.06 h2.5
  text "A" at -50.333,137.645 h2.5
  text "A" at 134.667,137.645 h2.5
  text "Fabrication Notes" at 46.153,98.653 h1.2
  text "- Board supplier: JLCPCB" at 46.264,97.277 h1
  text "Layer stack table" at -1.419,96.127 h2.54
  text "- Standard Board Stackup: JLC06161H-3313" at 46.264,95.877 h1
  text "Layer" at 0.483,91.538 h1.52
  text "Name" at 10.895,91.538 h1.52
  text "Material" at 34.51,91.538 h1.52
  text "Thickness" at 56.348,91.538 h1.52
  text "Constant" at 72.854,91.538 h1.52
  text "B" at -50.333,89.815 h2.5
  text "B" at 134.667,89.815 h2.5
  text "Top Overlay" at 10.895,88.49 h1.52
  text "Top Solder" at 10.895,85.442 h1.52
  text "Solder Resist" at 34.51,85.442 h1.52
  text "0.40mil" at 56.348,85.442 h1.52
  text "3.5" at 72.854,85.442 h1.52
  text "1" at 0.483,82.394 h1.52
  text "Top Layer" at 10.895,82.394 h1.52
  text "1.40mil" at 56.348,82.394 h1.52
  text "Dielectric 2" at 10.895,79.346 h1.52
  text "PP-016" at 34.51,79.346 h1.52
  text "3.91mil" at 56.348,79.346 h1.52
  text "4.4" at 72.854,79.346 h1.52
  text "2" at 0.483,76.298 h1.52
  text "L2 GND" at 10.895,76.298 h1.52
  text "CF-004" at 34.51,76.298 h1.52
  text "1.38mil" at 56.348,76.298 h1.52
  text "Dielectric 1" at 10.895,73.25 h1.52
  text "FR-4" at 34.51,73.25 h1.52
  text "49.80mil" at 56.348,73.25 h1.52
  text "4.8" at 72.854,73.25 h1.52
  text "3" at 0.483,70.202 h1.52
  text "L3 PWR" at 10.895,70.202 h1.52
  text "CF-004" at 34.51,70.202 h1.52
  text "1.38mil" at 56.348,70.202 h1.52
  text "Dielectric 3" at 10.895,67.154 h1.52
  text "PP-016" at 34.51,67.154 h1.52
  text "3.91mil" at 56.348,67.154 h1.52
  text "4.4" at 72.854,67.154 h1.52
  text "4" at 0.483,64.106 h1.52
  text "Bottom Layer" at 10.895,64.106 h1.52
  text "1.40mil" at 56.348,64.106 h1.52
  text "Bottom Solder" at 10.895,61.058 h1.52
  text "Solder Resist" at 34.51,61.058 h1.52
  text "0.40mil" at 56.348,61.058 h1.52
  text "3.5" at 72.854,61.058 h1.52
  text "Bottom Overlay" at 10.895,58.01 h1.52
  text "C" at -50.333,41.965 h2.5
  text "C" at 134.667,41.965 h2.5
  text "D" at -50.333,-5.865 h2.5
  text "D" at 134.667,-5.865 h2.5
  text "E" at -50.333,-53.695 h2.5
  text "E" at 134.667,-53.695 h2.5
  text "TITLE" at -3.5,-78.36 h1
  text ".Pcb_File_Name_No_Path" at 7.595,-80.651 h2.5
  text "VARIANT" at -3.5,-84.86 h1
  text "APPROVALS" at 49.585,-86.815 h1.25
  text "DATE" at 76.459,-86.815 h1.25
  text ".VariantName" at 5.338,-88.19 h2
  text "LAYER NAME" at -3.5,-91.36 h1
  text "DRAWN" at 44,-91.36 h1
  text "2026-04-25" at 69,-93.19 h2
  text "Thomas Ludemann" at 43.504,-93.94 h1.5
  text "OV Tech GmbH" at 97.421,-95.44 h2.5
  text "CHECKED" at 44,-96.97 h1
  text "Am Weichselgarten 9" at 100.65,-98.107 h1.25
  text "2026-04-25" at 69,-98.8 h2
  text "Thomas Ludemann" at 43.504,-99.55 h1.5
  text "91058 Erlangen" at 103.669,-100.607 h1.25
  text "F" at -50.333,-101.525 h2.5
  text "F" at 134.667,-101.525 h2.5
  text "ENGINEER" at 44,-102.58 h1
  text "Germany" at 107.835,-102.607 h1.25
  text "2026-04-25" at 69,-104.41 h2
  text "https://www.open-visions.com/" at 94.818,-104.607 h1.25
  text "Thomas Ludemann" at 43.504,-105.16 h1.5
  text "REV." at 91.5,-108.19 h1
  text "SIZE" at 100,-108.19 h1
  text "DATE" at 108.5,-108.19 h1
  text "0.1" at 92.5,-111.69 h2
  text "A4" at 101,-111.69 h2
  text ".Print_Date" at 109.5,-111.69 h2
  text "SCALE" at 91.5,-114.69 h1
  text "PAGE" at 116.5,-114.69 h1
  text ".Print_Scale" at 92.337,-118.19 h2
  text "1 OF 1" at 119.335,-118.19 h2
  text "Copy right 2026 OV Tech GmbH / This hardware design is licensed under the CERN Open Hardware Licence Version 2 - Strongly Reciprocal (CERN-OHL-S-2.0). You may redistribute and modify this design under the terms of the license. This design is provided \"as is\", without any warranties. See LICENSE file in the repository for full license details." at -3.181,-118.746 h1
  text "1" at -28.667,-122.94 h2.5
  text "2" at 18.417,-122.94 h2.5
  text "3" at 65.917,-122.94 h2.5
  text "4" at 113.417,-122.94 h2.5

## Text inside footprints (layer, text, board x,y; h text height)
C8: Top Overlay "+" at 49.8,41.4 h2 r90
U3: Top Assembly (Mech29) "U123" at 36.547,31.82 h0.8